# Altium PCB PCB4191.PcbDoc (part 4 of 4)
Units mm, origin at the board's own origin, x right, y up, seen from the top; angles counter-clockwise.
Board outline 160 x 160 mm, 6 copper layers (Top Layer, IM1 RIS, IM2 Signal, IM3 Signal, IM4 GND, Bottom Layer), stack 1.582 mm thick; 143 components, 121 nets, 430 pads, 4983 vias.
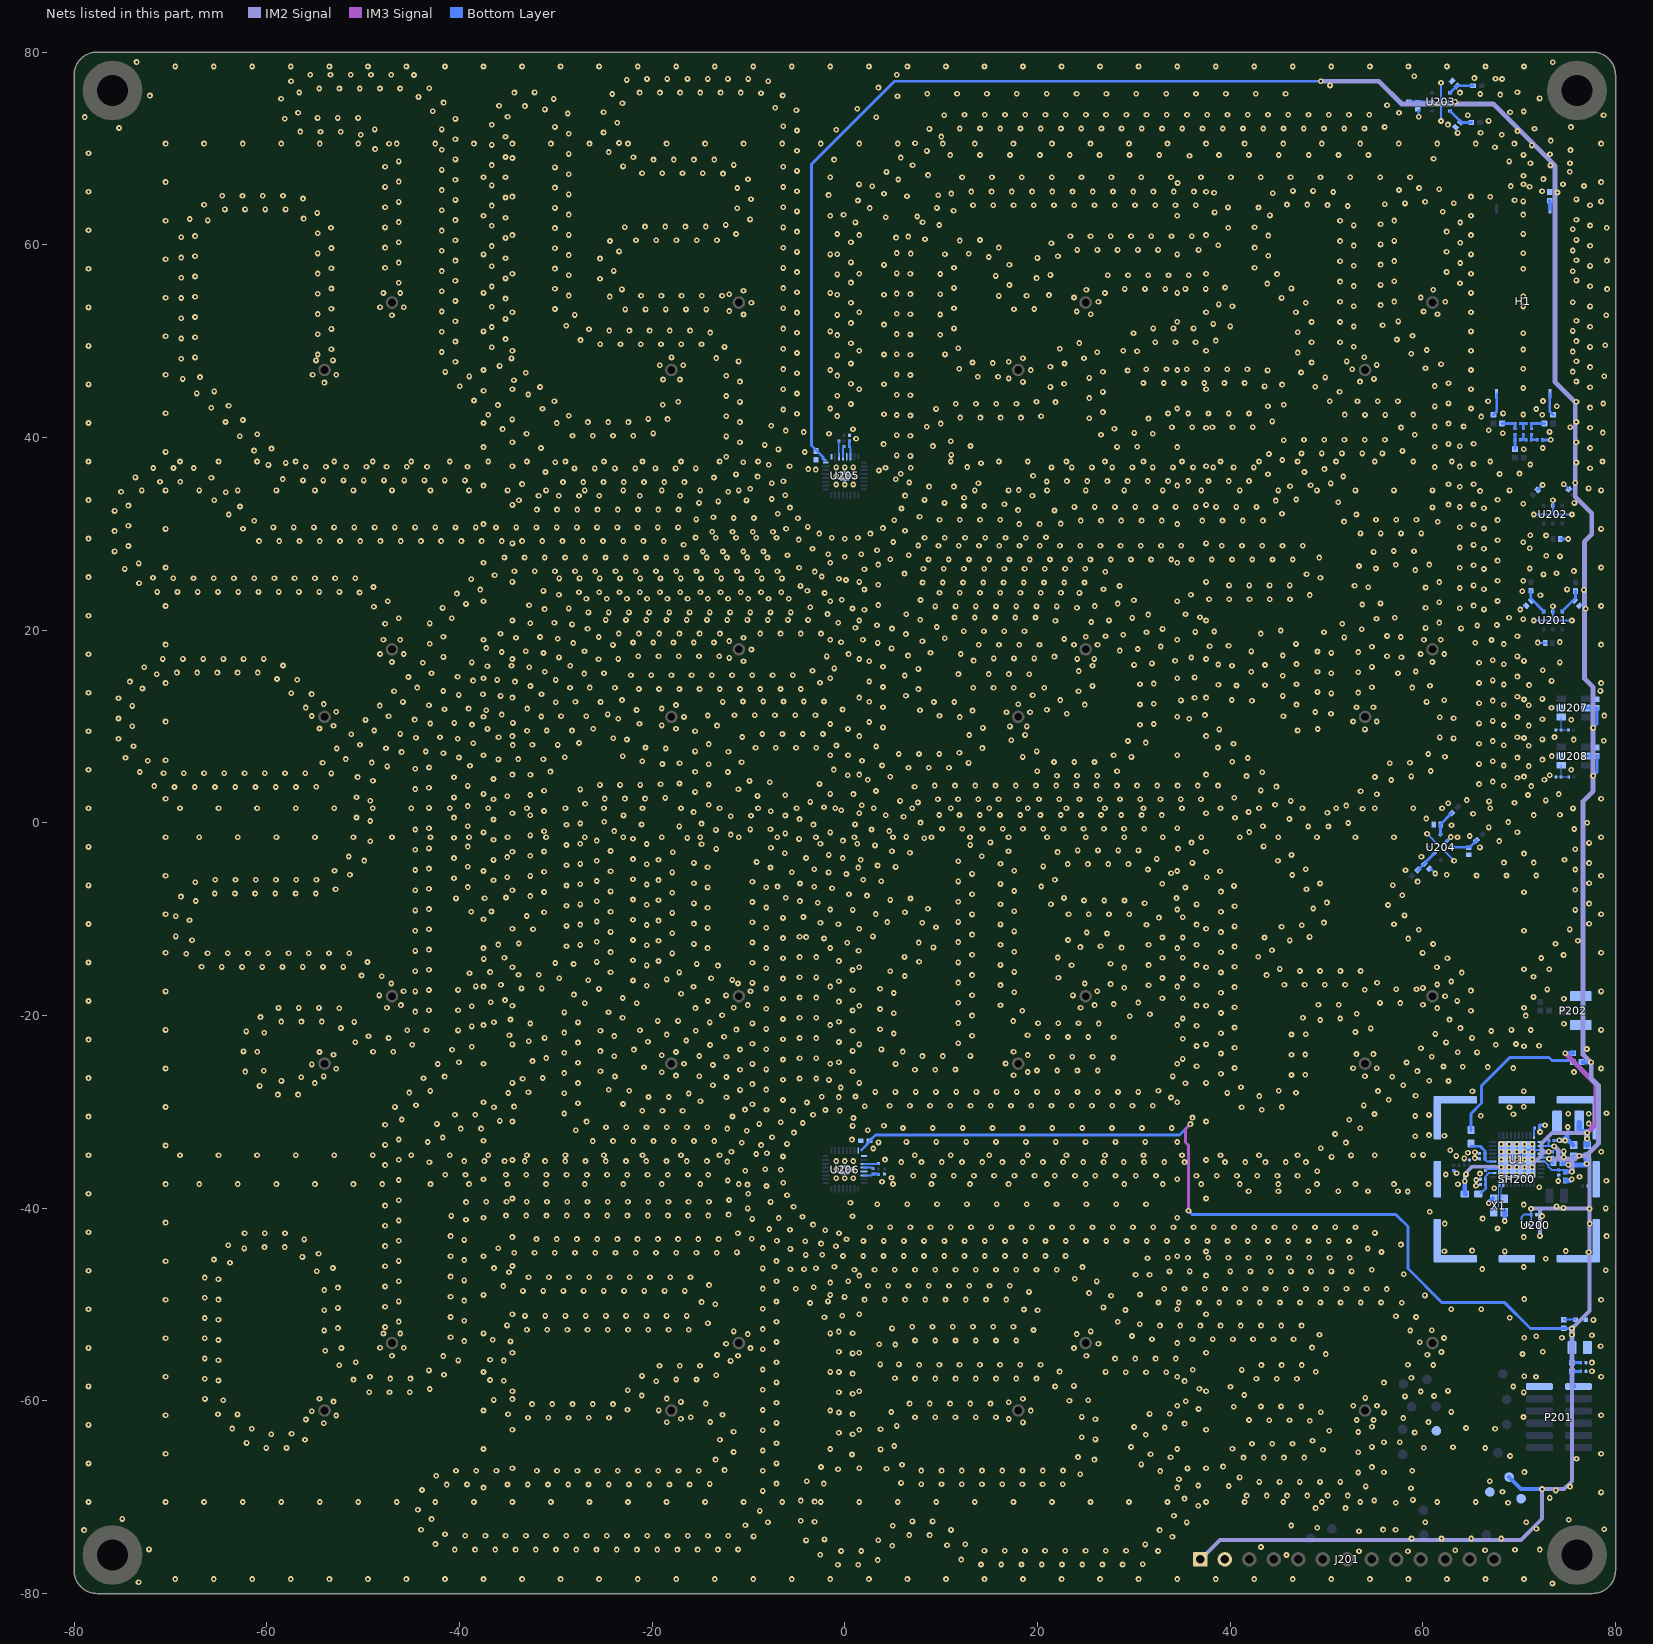
[diagram p8: the nets of this part, all layers, seen from the top]

## Via types
v1: diameter 0.6, hole 0.25, IM4 GND to Bottom Layer, tented bottom, 3953 vias
v2: diameter 0.6, hole 0.25, Top Layer to Bottom Layer, tented both sides, 851 vias
v3: diameter 0.6, hole 0.25, IM4 GND to Bottom Layer, tented both sides, 179 vias

## Nets (pads, with @x,y where several pads share a name; then routed paths per layer and width w, separated by ;. In a path a pad name is that pad's centre, name@x,y a point inside that pad or via, vN(x,y) a via of type N, cw(c..) or ccw(c..) an arc to the next point about the centre after c; other vN are vias at no path point) (continued)
GND: (continued)
  other v1: -14.877,49.663 0.637,49.77 24.333,49.787 32.213,49.888 34.313,49.888 36.413,49.888 48.45,49.876 51.413,49.879 -40.413,49.956 75.938,50.001 38.507,50.048 -27.432,50.099 57.307,50.161 -35.213,50.206 -68.862,50.268 -67.438,50.401 58.926,50.556 -0.787,50.617 9.913,50.658 6.812,50.68 -54.712,50.703 5.388,50.729 29.964,50.821 -13.969,50.876 -4.963,50.86 47.025,50.908 -41.837,50.969 65,51 -24.458,51.087 -22.358,51.087 -20.258,51.087 -18.158,51.087 -16.058,51.087 -26.553,51.235 -53.288,51.26 -6.387,51.296 32.006,51.312 34.106,51.312 36.206,51.312 11.337,51.319 -36.637,51.462 52.837,51.511 77.362,51.498 40.003,51.521 -28.916,51.584 55.822,51.646 4.069,51.708 38.252,51.784 0.637,51.87 48.45,51.976 51.413,51.979 57.441,52.041 -40.413,52.056 75.938,52.101 -35.213,52.306 -68.862,52.368 -67.438,52.501 -47.012,52.691 -28.038,52.72 -0.787,52.717 9.913,52.758 -10.516,52.763 6.812,52.78 -54.712,52.803 25.524,52.792 61.524,52.792 5.388,52.829 -4.963,52.96 46.82,52.998 65,53 -41.837,53.069 24.075,53.075 60.075,53.075 -11.991,53.113 -22.781,53.289 -20.681,53.288 -18.581,53.288 -16.481,53.288 -14.381,53.288 17.568,53.309 -30.087,53.327 19.668,53.332 -53.288,53.36 -6.387,53.396 11.337,53.419 -48.237,53.516 -45.787,53.516 -36.637,53.562 77.362,53.598 40.237,53.608 52.837,53.611 55.613,53.735 38.813,53.808 0.637,53.97 -9.691,53.988 47.845,53.987 51.413,54.079 26.32,54.082 57.037,54.102 62.32,54.082 -40.413,54.156 -35.213,54.406 -68.862,54.468 45.335,54.483 23.792,54.524 59.792,54.524 -67.438,54.601 -24.404,54.621 15.982,54.686 -21.139,54.712 -19.039,54.712 -16.939,54.712 -14.839,54.712 -12.739,54.712 18.872,54.712 -28.663,54.725 21.196,54.772 -0.787,54.817 4.069,54.808 -11.991,54.863 9.913,54.858 6.812,54.88 -54.712,54.903 5.388,54.929 -47.887,54.991 -46.137,54.991 27,54.993 65,55 -4.963,55.06 -41.837,55.169 -10.516,55.213 25.082,55.32 61.082,55.32 -23.135,55.367 -30.087,55.427 29.058,55.413 31.158,55.413 33.258,55.413 35.358,55.413 37.458,55.413 -53.288,55.46 46.36,55.472 -6.387,55.496 11.337,55.519 39.47,55.563 -36.637,55.662 77.362,55.698 52.837,55.711 17.087,55.819 55.613,55.835 43.85,55.968 63.854,56.009 -46.288,56.05 0.637,56.07 51.413,56.179 57.037,56.202 -40.413,56.256 75.938,56.301 -25.412,56.463 -35.213,56.506 19.913,56.536 -68.862,56.568 -67.438,56.701 15.663,56.761 -28.663,56.825 27.301,56.837 29.401,56.837 31.501,56.837 33.601,56.837 35.701,56.837 21.337,56.867 -0.787,56.917 9.913,56.958 44.875,56.957 6.812,56.98 65,57 -54.712,57.003 5.388,57.029 -4.963,57.16 62.463,57.166 -41.837,57.269 -23.988,57.286 -30.087,57.527 -53.288,57.56 -47.712,57.602 -6.387,57.596 42.538,57.608 11.337,57.619 -36.637,57.762 52.837,57.811 77.362,57.798 4.069,57.908 17.087,57.919 55.613,57.935 63.887,58.109 -46.288,58.15 0.637,58.17 51.413,58.279 57.037,58.302 -40.413,58.356 75.938,58.401 -25.412,58.563 -35.213,58.606 19.995,58.635 -68.862,58.668 14.936,58.732 -67.438,58.801 22.122,58.815 43.962,58.848 -28.663,58.925 10.395,59.002 65,59 -0.787,59.017 6.837,59.08 12.862,59.063 -54.712,59.103 5.388,59.129 -4.963,59.26 62.463,59.266 -23.432,59.311 -41.837,59.369 24.12,59.463 26.22,59.463 28.32,59.463 30.42,59.463 32.52,59.463 36.72,59.463 -30.087,59.627 -53.288,59.66 -47.712,59.702 -6.387,59.696 15.979,59.703 42.538,59.708 -36.637,59.862 52.837,59.911 77.362,59.898 38.761,59.954 55.613,60.035 21.446,60.153 63.887,60.209 -46.288,60.25 0.637,60.27 51.413,60.379 -24.371,60.387 57.037,60.402 -40.413,60.456 11.932,60.433 -21.676,60.463 -19.576,60.463 -17.476,60.463 -15.376,60.463 -13.276,60.463 14.031,60.487 75.938,60.501 8.322,60.565 -35.213,60.706 5.324,60.743 -68.862,60.768 6.592,60.849 23.413,60.887 25.513,60.887 27.613,60.887 29.713,60.887 31.813,60.887 33.913,60.887 36.013,60.887 -67.438,60.901 43.962,60.948 65,61 -28.663,61.025 -11.279,61.114 -0.787,61.117 -54.712,61.203 -4.963,61.36 62.463,61.366 -41.837,61.469 -30.087,61.727 -53.329,61.76 39.812,61.772 -47.712,61.802 -6.387,61.796 -22.839,61.824 42.538,61.808 -20.74,61.887 -18.64,61.887 -16.54,61.887 -14.44,61.887 -36.637,61.962 77.362,61.998 52.837,62.011 9.807,62.05 -12.347,62.06 55.613,62.135 63.887,62.309 1.1,62.318 8.077,62.334 -46.288,62.35 51.413,62.479 57.037,62.502 -66.113,62.53 -40.413,62.556 75.938,62.601 -9.825,62.628 -67.983,62.675 -56.171,62.714 -35.213,62.806 4.262,62.846 7.516,62.935 65,63 44.124,63.042 -0.123,63.109 -28.663,63.125 -54.75,63.307 38.388,63.359 62.064,63.428 -4.963,63.46 11.292,63.535 -41.837,63.569 -64.345,63.663 -62.245,63.663 -60.145,63.663 -58.045,63.663 -11.162,63.793 2.585,63.803 -30.087,63.827 9.562,63.819 39.773,63.872 42.937,63.869 -47.712,63.902 -6.387,63.896 52.215,64.017 -36.637,64.062 13.318,64.088 15.418,64.088 17.518,64.088 19.618,64.088 21.718,64.088 23.818,64.088 25.918,64.088 28.018,64.088 30.118,64.088 32.218,64.088 34.318,64.088 36.418,64.088 77.362,64.098 50.1,64.118 -66.498,64.16 45.9,64.163 48,64.163 56.035,64.192 58.144,64.287 63.211,64.297 -46.288,64.45 60.237,64.463 1.361,64.594 69.519,64.613 -40.413,64.656 75.938,64.701 -9.738,64.727 -56.235,64.792 -35.213,64.906 65,65 66.989,64.979 6.454,65.038 -64.614,65.087 -62.514,65.087 -60.414,65.087 -58.314,65.087 9.708,65.127 -1.677,65.149 -28.663,65.225 4.07,65.288 11.047,65.304 44.422,65.354 38.333,65.401 50.706,65.477 13.136,65.512 15.236,65.512 17.336,65.512 19.436,65.512 21.536,65.512 23.636,65.512 25.736,65.512 27.836,65.512 29.936,65.512 32.036,65.512 34.136,65.512 36.236,65.512 -4.963,65.56 46.509,65.587 48.609,65.587 -41.837,65.669 57.52,65.677 61.706,65.761 59.609,65.887 -11.162,65.893 -30.087,65.927 -47.712,66.002 -6.387,65.996 71.082,66.016 2.846,66.079 76.731,66.101 -36.637,66.162 74.545,66.273 -46.288,66.55 -40.413,66.756 5.555,66.773 -10.046,66.804 72.516,66.813 -35.213,67.006 12.173,67.006 15.273,67.006 18.373,67.006 21.473,67.006 24.573,67.006 27.673,67.006 30.773,67.006 33.873,67.006 36.973,67.006 40.073,67.006 43.173,67.006 46.273,67.006 49.373,67.006 52.473,67.006 55.573,67.006 58.673,67.006 70.445,67.16 8.646,67.23 -28.663,67.325 -12.641,67.384 -21.041,67.413 -18.941,67.413 -16.841,67.413 -14.741,67.413 4.331,67.564 75.246,67.586 -4.963,67.66 -41.837,67.769 -30.087,68.027 -47.712,68.102 -6.387,68.096 -23.014,68.132 73.25,68.237 -36.637,68.262 7.04,68.258 -11.531,68.289 71.162,68.458 -46.288,68.65 68.96,68.645 -19.858,68.837 -17.758,68.837 -15.658,68.837 -13.558,68.837 -1.11,68.839 -40.413,68.856 61.113,68.919 5.816,69.049 -21.945,69.077 -35.213,69.106 10.948,69.306 14.048,69.319 17.148,69.319 20.248,69.319 23.348,69.319 26.448,69.319 29.548,69.319 32.648,69.319 38.848,69.319 41.948,69.319 45.048,69.319 48.148,69.319 51.248,69.319 54.348,69.319 73.198,69.388 -28.663,69.425 -24.499,69.617 8.525,69.742 -4.963,69.76 75.325,69.825 -41.837,69.869 -48.756,69.924 67.475,70.13 71.31,70.307 -36.637,70.362 -47.305,70.487 7.301,70.533 -23.43,70.562 73.286,70.812 -40.413,70.956 -35.213,71.206 10.01,71.227 -50.241,71.409 68.192,71.428 -28.663,71.525 65.99,71.615 -25.037,71.647 -56.515,71.741 -54.415,71.738 -52.315,71.738 69.825,71.792 -4.963,71.86 -0.892,71.931 -48.79,71.972 -41.837,71.969 8.786,72.018 71.586,72.046 11.934,72.069 14.034,72.069 16.134,72.069 18.234,72.069 20.334,72.069 22.434,72.069 24.534,72.069 26.634,72.069 28.734,72.069 30.834,72.069 32.934,72.069 35.034,72.069 37.134,72.069 39.234,72.069 41.334,72.069 43.434,72.069 45.534,72.069 47.634,72.069 49.734,72.069 51.834,72.069 53.934,72.069 -30.087,72.227 56.028,72.222 -6.387,72.296 -36.637,72.462 -23.613,72.654 66.825,72.85 -58.135,73.078 -40.413,73.056 -54.72,73.162 -52.62,73.162 -50.52,73.162 3.274,73.223 -34.998,73.295 10.327,73.445 64.65,73.45 12.426,73.494 14.526,73.494 16.626,73.494 18.726,73.494 20.826,73.494 22.926,73.494 25.026,73.494 27.126,73.494 29.226,73.494 31.326,73.494 33.426,73.494 35.526,73.494 37.626,73.494 39.726,73.494 41.826,73.494 43.926,73.494 46.026,73.494 48.126,73.494 50.226,73.494 52.326,73.494 54.426,73.494 -28.751,73.623 -56.748,73.706 57.527,73.693 -25.037,73.747 69.057,73.747 70.482,73.832 -42.762,73.855 -5.024,73.959 -31.132,74.049 1.3,74.123 -7.211,74.228 -33.204,74.388 -35.885,74.423 56.287,74.468 -23.082,74.686 -41.647,74.755 -30.205,75.138 -58.512,75.143 -44.247,75.34 5.466,75.415 -6.459,75.492 68.036,75.582 -24.138,75.644 8.556,75.669 11.656,75.669 14.756,75.669 17.856,75.669 20.956,75.669 24.056,75.669 27.156,75.669 30.256,75.669 33.356,75.669 36.456,75.669 39.556,75.669 42.656,75.669 45.756,75.669 65.95,75.65 -8.696,75.713 -34.294,75.794 -21.294,75.788 -19.194,75.788 -17.094,75.788 -14.994,75.788 -12.894,75.788 -10.794,75.788 63.85,75.795 -56.616,75.802 -32.194,75.812 69.81,75.822 -54.557,76.213 -52.457,76.213 -50.357,76.213 -48.257,76.213 -46.157,76.213 -43.132,76.24 3.492,76.315 50.361,76.539 -57.467,76.965 -7.944,76.977 -22.628,77.104 -20.531,77.212 -18.431,77.212 -16.331,77.212 -14.231,77.212 -12.131,77.212 -10.031,77.212 67.537,77.219 68.224,77.198 65.35,77.3 -44.718,77.616 -55.478,77.637 -53.378,77.637 -51.278,77.637 -49.178,77.637 -47.078,77.637 5.39,77.655
  other v2: 73.448,-78.959 -73.299,-78.823 -69.5,-78.5 -65.5,-78.5 -61.5,-78.5 -57.5,-78.5 -53.5,-78.5 -49.5,-78.5 -45.5,-78.5 -41.5,-78.5 -37.5,-78.5 -33.5,-78.5 -29.5,-78.5 -25.5,-78.5 -21.5,-78.5 -17.5,-78.5 -13.5,-78.5 -9.5,-78.5 -5.5,-78.5 -1.5,-78.5 2.5,-78.5 6.5,-78.5 10.5,-78.5 14.5,-78.5 18.5,-78.5 22.5,-78.5 26.5,-78.5 30.5,-78.5 34.5,-78.5 38.5,-78.5 42.5,-78.5 46.5,-78.5 50.5,-78.5 54.5,-78.5 58.5,-78.5 62.5,-78.5 66.5,-78.5 70.5,-78.5 72.141,-75.438 -72.225,-75.417 -78.955,-73.415 78.828,-73.322 75.138,-72.336 -74.993,-72.254 68.849,-70.586 57.197,-70.575 -78.5,-70.5 -70.5,-70.5 -66.5,-70.5 -62.5,-70.5 -58.5,-70.5 -54.5,-70.5 -50.5,-70.5 -46.5,-70.5 -42.5,-70.5 -38.5,-70.5 -34.5,-70.5 -30.5,-70.5 -26.5,-70.5 -22.5,-70.5 -18.5,-70.5 -14.5,-70.5 -10.5,-70.5 -6.5,-70.5 -2.5,-70.5 1.5,-70.5 5.5,-70.5 9.5,-70.5 13.5,-70.5 17.5,-70.5 21.5,-70.5 25.5,-70.5 29.5,-70.5 33.5,-70.5 37.5,-70.5 41.5,-70.5 45.5,-70.5 49.5,-70.5 53.5,-70.5 61.5,-70.5 65.5,-70.5 73.175,-70.075 78.5,-69.5 -37.5,-69.001 34.5,-69.001 70.538,-67.39 -34.5,-67.001 37.5,-67.001 1.5,-67 -78.5,-66.5 -70.5,-65.5 78.5,-65.5 -37.5,-65.001 -1.5,-65 34.5,-65.001 -34.5,-63.001 1.5,-63 37.5,-63.001 -78.5,-62.5 70.45,-61.675 -70.5,-61.5 78.5,-61.5 -37.5,-61.001 -1.5,-61 34.5,-60.501 70.475,-59.125 -34.5,-59.001 1.5,-59 37.5,-59.001 -78.5,-58.5 34.5,-57.501 -70.5,-57.5 78.5,-57.5 70.522,-57.44 -37.5,-57.001 -1.5,-57 77.55,-56.925 77.55,-56.025 -34.5,-55.001 1.5,-55 37.5,-55.001 -78.5,-54.5 78.45,-54.325 34.5,-54.001 -70.5,-53.5 70.522,-53.44 77.55,-53.2 -37.5,-53.001 -1.5,-53 77.7,-51.6 -34.5,-51.001 1.5,-51 37.5,-51.001 -78.5,-50.5 34.5,-50.501 -70.5,-49.5 78.5,-49.5 70.522,-49.44 -37.5,-49.001 -1.5,-49 1.5,-47 37.5,-47.001 -78.5,-46.5 78.975,-46.45 70.468,-46.104 -34.5,-46.001 -70.5,-45.5 -37.5,-45.001 34.5,-45.001 37.5,-44.501 -34.5,-43.001 70.475,-43 79.075,-42.9 -0.6,-42.6 -78.5,-42.5 -70.5,-41.5 -37.5,-41.001 34.5,-41.001 0.797,-40.836 78.975,-40.025 70.475,-39.625 0.58,-39.448 -34.5,-39.001 37.5,-39.001 -78.5,-38.5 63.636,-37.519 -70.5,-37.5 -66.999,-37.5 -62.999,-37.5 -58.999,-37.5 -54.999,-37.5 -50.999,-37.5 -47.999,-37.5 -42.999,-37.5 -38.999,-37.5 -34.999,-37.5 -30.999,-37.5 -26.999,-37.5 -22.999,-37.5 -18.999,-37.5 -14.999,-37.5 -10.999,-37.5 5.001,-37.499 9.001,-37.5 13.001,-37.5 17.001,-37.5 21.001,-37.5 25.001,-37.5 29.001,-37.5 33.001,-37.5 37.001,-37.5 41.001,-37.5 45.001,-37.5 49.001,-37.5 53.001,-37.5 57.001,-37.5 60.601,-37.5 79.05,-37.15 75.45,-37.006 -37.5,-37.001 34.5,-37.001 -0.887,-36.884 0.001,-36.884 0.888,-36.884 4.85,-36.851 76.259,-36.744 62.369,-36.504 65.935,-36.412 -6.641,-36.009 -0.887,-35.997 0,-36 0.888,-35.997 -0.887,-35.109 0.001,-35.109 0.888,-35.109 -34.5,-35.001 37.5,-35.001 4.176,-34.954 63.475,-34.581 52.55,-34.525 -78.5,-34.5 -68.999,-34.5 -64.999,-34.5 -60.999,-34.5 -56.999,-34.5 -52.999,-34.5 -48.999,-34.5 -44.999,-34.5 -40.999,-34.5 -36.999,-34.5 -32.999,-34.5 -28.999,-34.5 -24.999,-34.5 -20.999,-34.5 -16.999,-34.5 -12.999,-34.5 7.25,-34.5 11.001,-34.5 15.001,-34.5 19.001,-34.5 23.001,-34.5 27.001,-34.5 31.001,-34.5 35.001,-34.5 39.001,-34.5 43.001,-34.5 47.001,-34.5 55.001,-34.5 59.001,-34.5 -9.2,-34.375 78.525,-34.15 -70.5,-33.5 34.498,-33.128 -37.5,-33.001 0.738,-32.884 0.813,-31.459 -34.5,-31.001 37.5,-31.001 -78.5,-30.5 79.059,-30.145 -0.525,-29.875 -70.5,-29.5 70.475,-29.475 -37.5,-29.001 34.5,-29.001 70.475,-27.875 -34.5,-27.001 1.499,-27 37.5,-27.001 -78.5,-26.5 -70.5,-25.5 78.5,-25.5 -37.5,-25.001 -1.501,-25 34.5,-25.001 70.5,-23.2 -34.5,-23.001 1.499,-23 37.5,-23.001 -78.5,-22.5 -70.5,-21.5 78.5,-21.5 -37.5,-21.001 -1.501,-21 34.5,-21.001 74.645,-20.848 70.5,-19.2 -34.5,-19.001 1.499,-19 37.5,-19.001 -78.5,-18.5 74.645,-18.27 -70.5,-17.5 78.5,-17.5 -37.5,-17.001 -1.501,-17 34.5,-17.001 70.5,-15.2 -34.5,-15.001 1.499,-15 37.5,-15.001 -78.5,-14.5 -70.5,-13.5 78.5,-13.5 -37.5,-13.001 -1.501,-13 34.5,-13.001 70.5,-11.2 -34.5,-11.001 1.499,-11 37.5,-11.001 -78.5,-10.5 -37.5,-10.001 -70.5,-9.5 78.5,-9.5 -1.501,-9 34.5,-9.001 70.5,-7.2 -34.5,-7.001 -78.5,-6.5 -70.5,-5.5 78.5,-5.5 -37.5,-5.001 34.5,-5.001 1.393,-4.654 70.5,-3.2 -34.5,-3.001 37.5,-3.001 -78.5,-2.5 -70.5,-1.5 -67,-1.5 -63,-1.5 -59,-1.5 -55,-1.5 -51,-1.5 -47,-1.5 -43,-1.5 -39,-1.5 -35,-1.5 -31,-1.5 -27,-1.5 -23,-1.5 -19,-1.5 -15,-1.5 -11,-1.5 -7,-1.5 -3,-1.5 1,-1.5 5,-1.5 9,-1.5 13,-1.5 17,-1.5 21,-1.5 25,-1.5 29,-1.5 33,-1.5 37,-1.5 41,-1.5 45,-1.5 49,-1.5 53,-1.5 57,-1.5 63.6,-1.5 78.5,-1.5 -37.501,-1 -1.501,-1 71.5,0.8 -34.501,1 1.499,1 37.499,1 -78.5,1.5 -69,1.5 -65,1.5 -61,1.5 -57,1.5 -53,1.5 -49,1.5 -45,1.5 -41,1.5 -37,1.5 -33,1.5 -29,1.5 -25,1.5 -21,1.5 -17,1.5 -13,1.5 -9,1.5 -5,1.5 -1,1.5 3,1.5 7,1.5 11,1.5 15,1.5 19,1.5 23,1.5 27,1.5 31,1.5 35,1.5 39,1.5 43,1.5 47.5,1.5 51,1.5 55,1.5 59,1.5 62,1.501 67,1.501 -70.5,2.5 78.5,2.5 -37.501,3 -1.501,3 70.5,4.8 -34.501,5 1.499,5 37.499,5 -78.5,5.5 -70.5,6.5 -37.501,7 -1.501,7 34.499,7 78.772,8.527 70.5,8.8 -34.501,9 1.499,9 37.499,9 -78.5,9.5 -1.501,10.25 -70.5,10.5 -37.501,11 34.499,11 78.833,11.124 70.5,12.8 -34.501,13 1.499,13 37.499,13 -78.5,13.5 78.431,13.693 -70.5,14.5 78.5,14.5 -37.501,15 -1.501,15 34.499,15 70.5,16.8 -34.501,17 1.499,17 37.499,17 -78.5,17.5 -70.5,18.5 78.5,18.5 -37.501,19 -1.501,19 34.499,19 -34.501,21 1.499,21 37.499,21 70.415,21.12 -78.5,21.5 -70.5,22.5 78.5,22.5 -37.501,23 -1.501,23 34.499,23 -34.501,25 1.499,25 37.499,25 70.415,25.12 -78.5,25.5 -70.5,26.5 78.5,26.5 -37.501,27 -1.501,27 34.499,27 0.006,27.625 -34.501,29 37.499,29 70.415,29.12 -0.001,29.475 -78.5,29.5 -70.5,30.5 78.5,30.5 -37.501,31 34.499,31 -34.501,33 37.499,33 70.415,33.12 -78.5,33.5 65.939,34.425 -70.5,34.5 -67,34.5 -63,34.5 -59,34.5 -55,34.5 -51,34.5 -47,34.5 -43,34.5 -39,34.5 -35,34.5 -31,34.5 -27,34.5 -23,34.5 -19,34.5 -15,34.5 -11,34.5 13.5,34.5 17,34.5 21,34.5 25,34.5 29,34.5 33,34.5 37,34.5 41,34.5 45,34.5 49,34.5 53,34.5 57,34.5 61,34.5 69,34.5 78.5,34.5 -37.501,35 34.499,35 -0.887,35.116 0,35.116 0.888,35.116 -6.375,35.45 -0.887,36.003 0,36 0.888,36.003 3.538,36.566 -3.012,36.666 -3.787,36.716 4.227,36.841 6.85,36.849 -0.887,36.891 0,36.891 0.888,36.891 -34.501,37 37.499,37 -78.5,37.5 -69,37.5 -65,37.5 -61,37.5 -57,37.5 -53,37.5 -49,37.5 -45,37.5 -41,37.5 -37,37.5 -33,37.5 -29,37.5 -25,37.5 -21,37.5 -17,37.5 -13,37.5 -9,37.5 11,37.5 16,37.5 19,37.5 23,37.5 27,37.5 31,37.5 35,37.5 39,37.5 43,37.5 47,37.5 51,37.5 55,37.5 59,37.5 63,37.5 67,37.5 78.65,37.5 -70.5,38.5 70.475,38.775 -37.501,39 34.499,39 -34.501,39.5 78.675,40.5 0.85,40.849 37.499,41 -78.5,41.5 -37.501,41.5 70.425,42.375 -70.5,42.5 -1.501,43 34.499,43 78.725,43.525 -34.501,45 1.499,45 37.499,45 70.423,45.127 -78.5,45.5 78.825,46.35 -70.5,46.5 75.552,46.829 -37.501,47 -1.501,47 34.499,47 70.423,47.127 75.552,48.911 -34.501,49 1.499,49 37.499,49 70.423,49.127 -78.5,49.5 78.925,49.575 -70.5,50.5 70.423,50.82 -37.501,51 -1.501,51 75.552,51.058 34.499,52 79.025,52.675 -34.501,53 1.499,53 37.499,53 -78.5,53.5 70.423,53.587 75.552,54.032 -70.5,54.5 70.423,54.65 -37.501,55 -1.501,55 34.499,55 79.125,55.4 -34.501,57 1.499,57 37.499,57 75.552,57.253 -78.5,57.5 70.423,57.503 79.1,58.35 -70.5,58.5 -37.501,59 -1.501,59 34.499,59 70.423,59.127 75.552,59.401 -34.501,61 1.499,61 37.499,61 70.423,61.127 -78.5,61.5 75.552,61.614 79.083,61.77 -70.5,62.5 -37.501,63 -1.501,63 34.499,63 70.423,63.127 70.423,64.495 78.5,64.5 -34.501,65 -78.5,65.5 37.499,65.5 1.487,66.266 70.443,66.279 34.546,66.412 -70.5,66.5 78.5,66.5 -37.501,67 -1.501,67 75.27,68.461 -34.501,69 35.781,69.227 70.45,69.325 -78.5,69.5 -70.5,70.5 -66.5,70.5 -62.5,70.5 -58.5,70.5 -54.5,70.5 -50.5,70.5 -46.5,70.5 -42.5,70.5 -38.5,70.5 -34.5,70.5 -30.5,70.5 -26.5,70.5 -22.5,70.5 -18.5,70.5 -14.5,70.5 -10.5,70.5 -6.5,70.5 -2.5,70.5 1.5,70.5 5.5,70.5 10.175,70.5 13.5,70.5 17.5,70.5 21.5,70.5 25.5,70.5 29.5,70.5 33.5,70.5 37.5,70.5 41.5,70.5 45.5,70.5 49.5,70.5 53.5,70.5 57.5,70.5 61.5,70.5 65.5,70.5 69.5,70.5 78.5,70.5 -75.321,72.118 75.365,72.209 62.605,72.475 -78.886,73.249 78.765,73.444 72.119,75.184 -72.122,75.479 59.099,77.488 -69.5,78.5 -65.5,78.5 -61.5,78.5 -57.5,78.5 -53.5,78.5 -49.5,78.5 -45.5,78.5 -41.5,78.5 -37.5,78.5 -33.5,78.5 -29.5,78.5 -25.5,78.5 -21.5,78.5 -17.5,78.5 -13.5,78.5 -9.5,78.5 -5.5,78.5 -1.5,78.5 2.5,78.5 6.5,78.5 10.5,78.5 14.5,78.5 18.5,78.5 22.5,78.5 26.5,78.5 30.5,78.5 34.5,78.5 38.5,78.5 42.5,78.5 46.5,78.5 50.5,78.5 54.5,78.5 58.5,78.5 62.5,78.5 66.5,78.5 70.5,78.5 -73.504,78.959 73.473,78.951
  other v3: 57.166,-73.37 60.259,-72.609 58.97,-70.278 68.264,-69.435 73.805,-69.296 75.278,-68.904 66.948,-68.338 58.897,-67.259 75.953,-66.02 69.057,-65.725 60.087,-64.879 66.48,-64.891 63.13,-64.817 57.608,-64.29 59.142,-63.284 67.498,-62.903 64.492,-62.817 60.59,-62.204 57.964,-61.787 62.958,-61.149 58.148,-59.541 61.167,-59.492 59.78,-59.026 69.393,-58.509 71.747,-57.494 70.348,-55.134 72.446,-54.912 66.175,-46.326 77.2,-44.566 62.241,-44.471 68.508,-44.488 74.831,-44.452 65.108,-44.4 -2.46,-43.681 -4.105,-43.442 -2.037,-42.284 -5.683,-42.248 -3.287,-41.709 62.268,-41.604 77.32,-41.602 66.2,-41.081 -6.851,-41.033 -4.387,-40.884 72.375,-40.825 74.598,-39.97 -5.312,-39.859 73.874,-39.814 -7.699,-39.348 -5.987,-38.659 67.4,-37.931 72.075,-37.831 -8.124,-37.702 65.525,-37.681 -6.387,-37.359 3.86,-37.255 65.55,-37.075 64.475,-36.5 -8.265,-35.953 64.3,-34.831 65.4,-34.806 -6.412,-34.634 -8.085,-34.294 64.675,-34.256 65.4,-34.206 62.85,-33.981 2.944,-33.808 -5.987,-33.334 -7.545,-32.648 62.237,-32.475 -5.287,-32.159 72.174,-32.097 77.225,-31.225 -4.362,-31.159 -6.651,-31.091 -3.287,-30.309 69.4,-30.25 75.1,-30.2 77.225,-30.2 -5.385,-29.87 -2.012,-29.809 68.991,-29.534 2.075,-29.433 -3.931,-29.034 -0.625,-28.475 -2.388,-28.43 77.024,-23.476 72.067,-23.14 62.972,-0.25 60.36,0.437 62.644,2.029 73.168,4.925 75.398,5.51 73.368,6.925 75.662,8.634 73.664,8.892 75.398,10.699 73.35,11.95 -1.71,27.871 1.702,27.876 3.348,28.3 -3.352,28.454 5.033,29.149 -4.775,29.4 -1.362,29.591 1.363,29.591 -2.662,30.016 2.663,30.016 6.247,30.316 -6.094,30.515 3.956,30.593 -3.837,30.716 5.136,31.397 -4.862,31.616 -6.966,32.068 5.888,32.619 -5.687,32.716 -7.571,33.612 6.263,33.966 -6.175,34 5.28,35.659 72.448,38.899 1.173,39.855 71.761,42.954 73.975,65.425 72.375,65.55 69.127,66.09
N16816371: L201.1 U1.31
N16816400: C217.1 U1.30 | length 0.8
  Bottom Layer w0.2: U1.30@71.55,-32.455 C217.1@71.55,-31.65
N16816410: U1.9 X1.3 | length 1.6
  Bottom Layer w0.1: X1.3@68.291,-38.891 68.15,-38.75 68.15,-38.477 68.15,-37.95 68.35,-37.75 U1.9@68.35,-37.445
N16816441: U1.10 X1.1 | length 2.5
  Bottom Layer w0.1: X1.1@67.7,-40.025 67.9,-39.825 67.9,-38.56 U1.10@67.9,-37.667 ; U1.10@67.925,-37.642 U1.10@67.95,-37.667
N16816744: C204.1 C205.1 L202.2 U1.12 | length 2.8
  Bottom Layer w0.2: C204.1@66.525,-37 66.51,-36.985 66.51,-36.69 66.85,-36.35 U1.12@67.255,-36.35
  Bottom Layer w0.25: L202.2@66.05,-38.425 66.525,-37.95 C205.1@66.525,-37.55 66.525,-37.038 C204.1@66.544,-37.019
N16816775: C206.1 C207.1 L203.2 U1.15 | length 3.5
  Bottom Layer w0.2: C206.1@66.45,-34.881 66.45,-34.963 66.638,-35.151 U1.15@67.255,-35.151